# Altium PCB GE21_M1_pku_f100.PcbDoc (part 1 of 19) (continued)
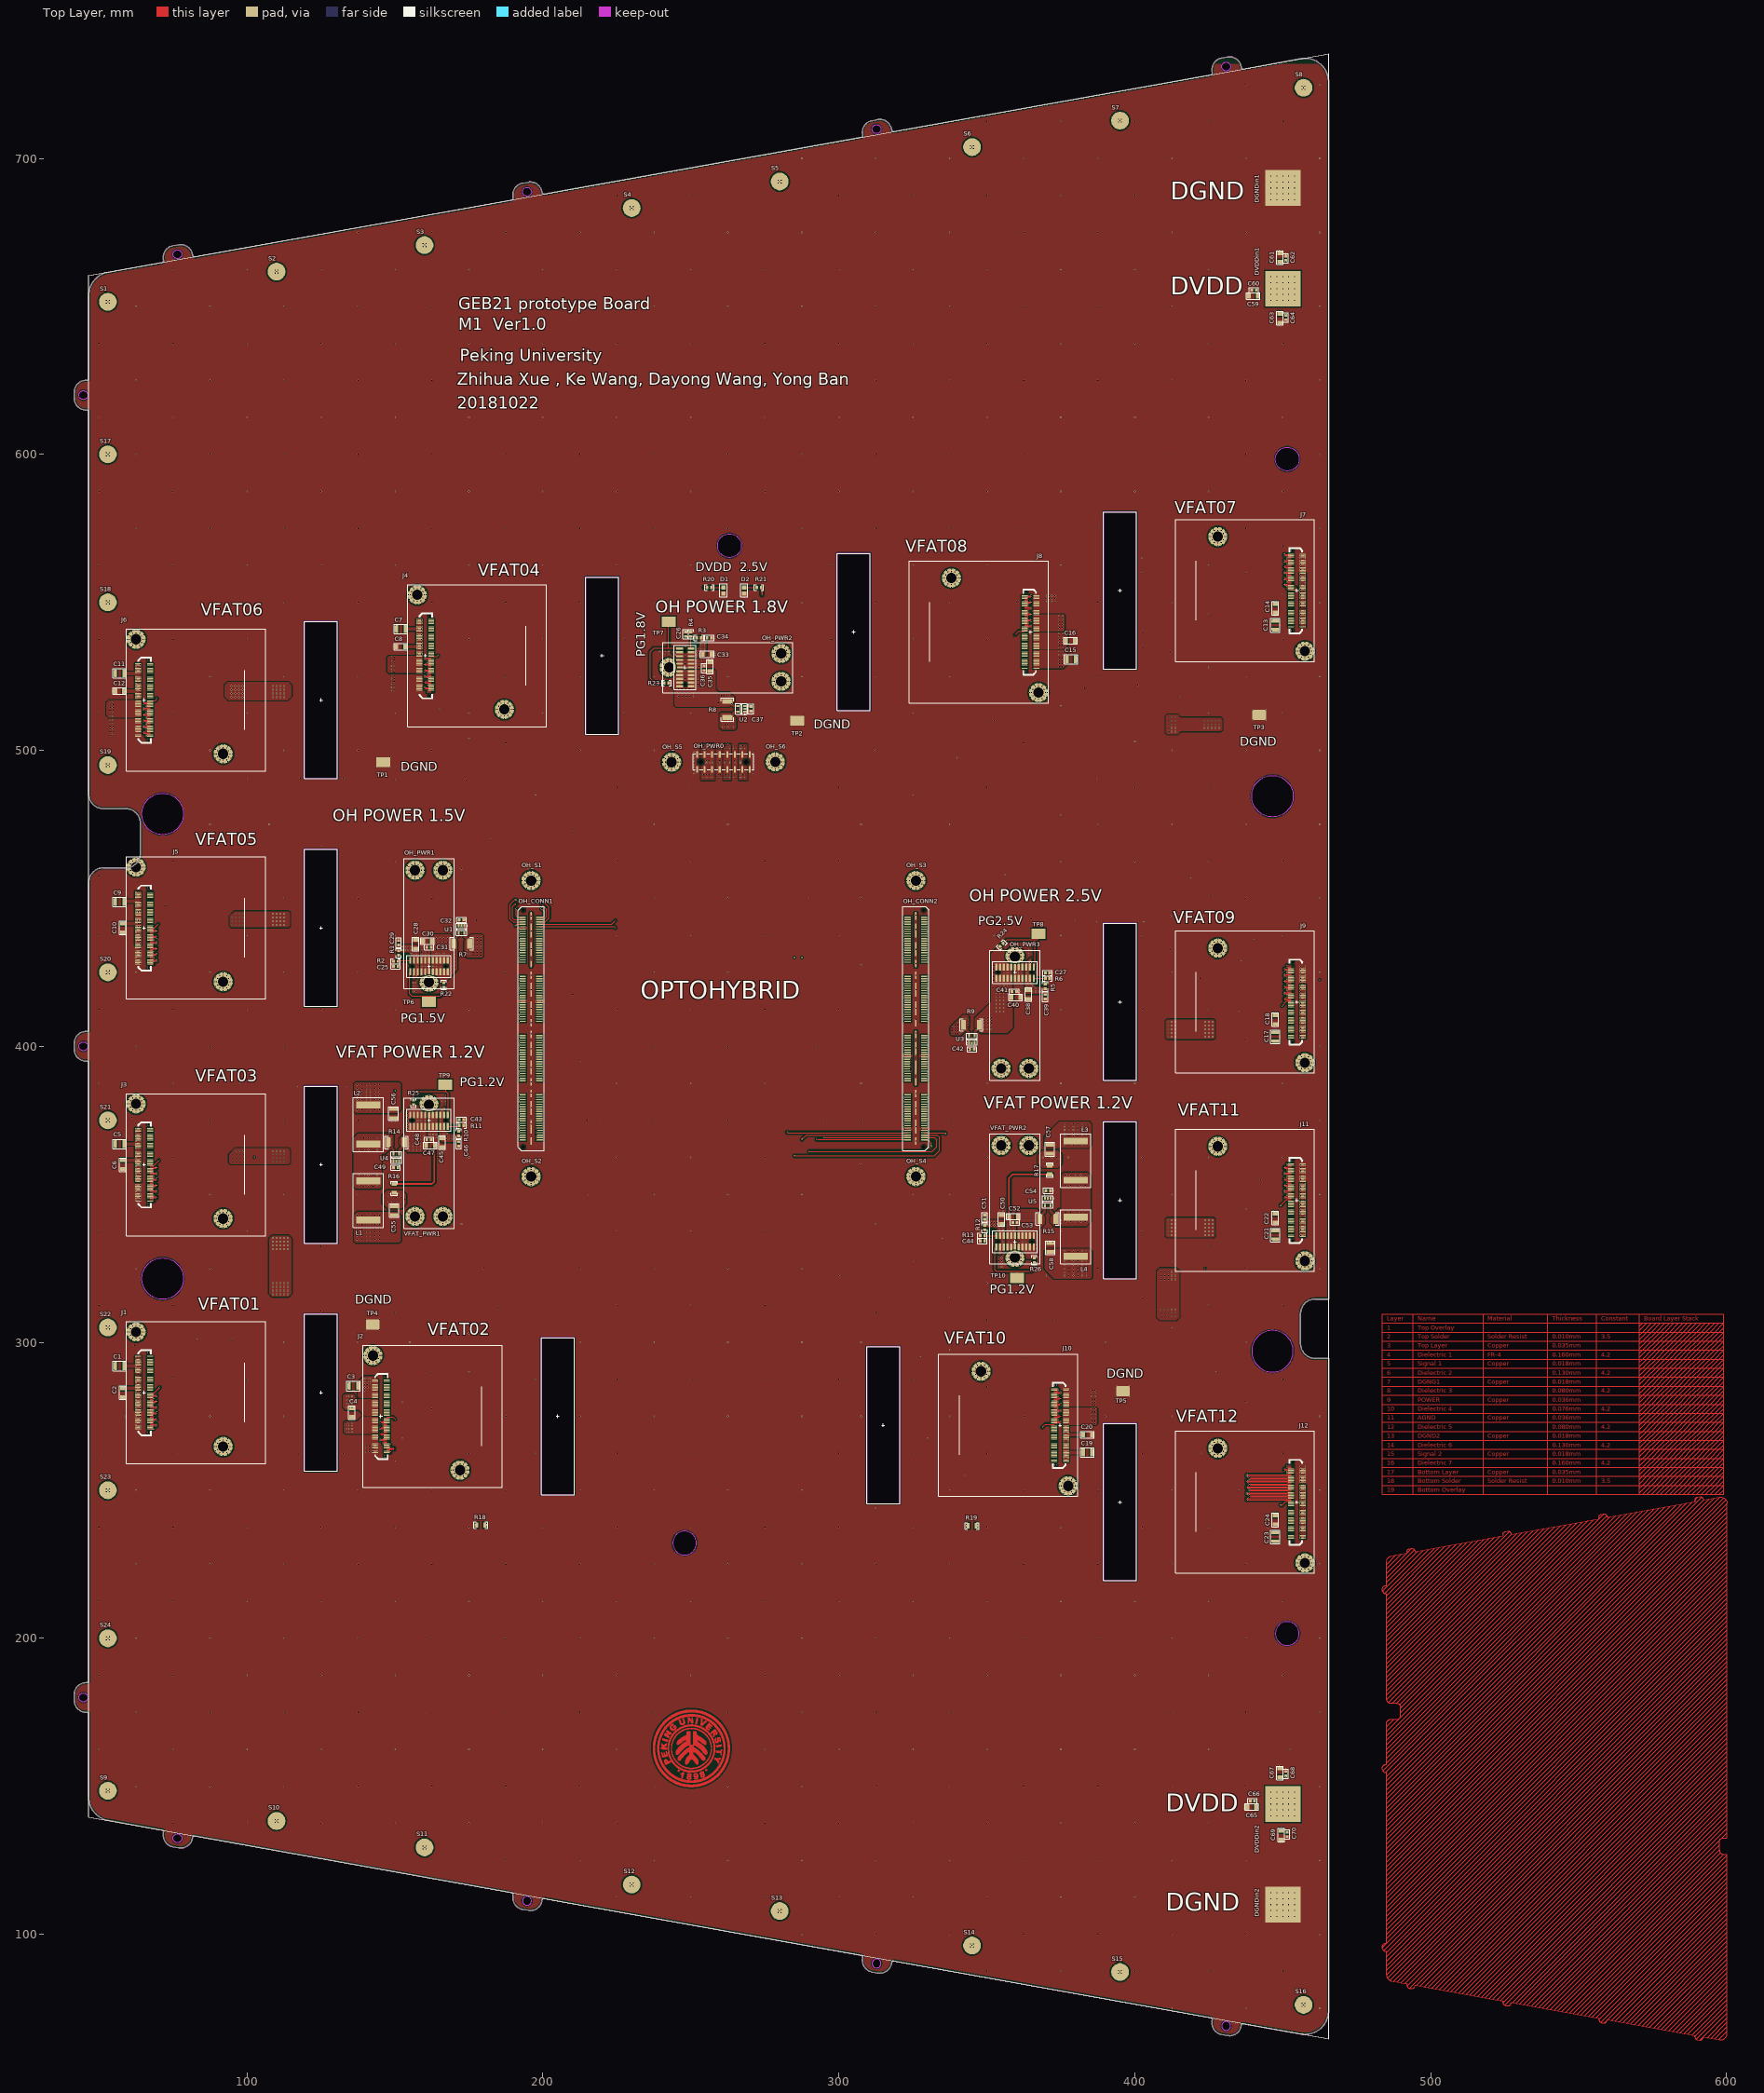
[diagram p0: Top Layer view]
## Design rules (kind name [scope] priority, off if disabled: settings)
Clearance [All] p1: gap=0 ignorepadtopadclearanceinfootprint=FALSE except(0.2: Via-Via; 0.22: Arc-Via Track-Via; 0.23: SMDPad-Via; 0.25: Arc-Arc Arc-Track Arc-SMDPad Arc-THPad Track-Track Track-SMDPad Track-THPad SMDPad-SMDPad SMDPad-THPad THPad-THPad THPad-Via; 0.268: Via-Fill Via-Poly Via-Region; 0.381: SMDPad-Fill SMDPad-Poly SMDPad-Region Fill-Fill Fill-Poly Fill-Region Poly-Poly Poly-Region Region-Region; 0.5: THPad-Fill THPad-Poly THPad-Region; 0.6: Arc-Fill Arc-Poly Arc-Region Track-Fill Track-Poly Track-Region)
DiffPairsRouting DiffPair_rxd_clkDiffPairsRouting [InDifferentialPairClass('RXD_CLK')] p1: maxlimit=0.254 minlimit=0.25 mostfreqgap=0.25 toplayer_minwidth=0.1 toplayer_maxwidth=0.381 toplayer_prefwidth=0.1 midlayer1_minwidth=0.1 midlayer1_maxwidth=0.381 midlayer1_prefwidth=0.1 midlayer4_minwidth=0.1 midlayer4_maxwidth=0.381 midlayer4_prefwidth=0.1 bottomlayer_minwidth=0.1 bottomlayer_maxwidth=0.381 bottomlayer_prefwidth=0.1 maxuncoupledlength=12.7
DiffPairsRouting [InDifferentialPairClass('All Differential Pairs')] p2: maxlimit=0.254 minlimit=0.25 mostfreqgap=0.25 toplayer_minwidth=0.1 toplayer_maxwidth=0.381 toplayer_prefwidth=0.1 midlayer1_minwidth=0.1 midlayer1_maxwidth=0.381 midlayer1_prefwidth=0.1 midlayer4_minwidth=0.1 midlayer4_maxwidth=0.381 midlayer4_prefwidth=0.1 bottomlayer_minwidth=0.1 bottomlayer_maxwidth=0.381 bottomlayer_prefwidth=0.1 maxuncoupledlength=12.7
DiffPairsRouting DiffPairsRouting_1 [All] p3: maxlimit=0.254 minlimit=0.1 mostfreqgap=0.25 toplayer_minwidth=0.1 toplayer_maxwidth=0.381 toplayer_prefwidth=0.1 midlayer1_minwidth=0.1 midlayer1_maxwidth=0.381 midlayer1_prefwidth=0.1 midlayer4_minwidth=0.1 midlayer4_maxwidth=0.381 midlayer4_prefwidth=0.1 bottomlayer_minwidth=0.1 bottomlayer_maxwidth=0.381 bottomlayer_prefwidth=0.1 maxuncoupledlength=12.7
HoleSize [All] p1: absolutevalues=TRUE maxlimit=3.5 minlimit=0.025 maxpercent=80.000 minpercent=20.000
HoleToHoleClearance [All] p1: gap=0.099 allowstackedmicrovias=TRUE
MinimumSolderMaskSliver [All] p1: minsoldermaskwidth=0.195
PlaneClearance [All] p1: clearance=0.3
PlaneConnect [All] p1: planeconnectstyle=Direct reliefexpansion=0.15 reliefentries=4 reliefconductorwidth=0.254 reliefairgap=0.15
PolygonConnect [All] p1: connectstyle=Direct reliefconductorwidth=0.254 reliefentries=4 polygonreliefangle="90 Angle" airgapwidth=0.254
RoutingCorners [All] p1: cornerstyle=Round minsetback=2.5 maxsetback=2.5
RoutingVias [All] p1: holewidth=0.2 width=0.4 viastyle="Through Hole" minholewidth=0.2 minwidth=0.4 maxholewidth=0.711 maxwidth=1.27
ShortCircuit [All] p1: allowed=TRUE
SilkToSolderMaskClearance [IsPad] p1: minsilkscreentomaskgap=0 clearancetoexposedcopper=TRUE
SolderMaskExpansion [All] p1: expansion=0.001
Width [All] p1: maxlimit=0.508 minlimit=0.1 preferedwidth=0.508 toplayer_prefwidth=0.2 midlayer1_prefwidth=0.2 midlayer4_prefwidth=0.2 minimp=50.000000 maximp=50.000000 favimp=50.000000
21 further rules are at their usual default settings.

## Classes and differential pairs
differential pair class J12: J12CLK J12D1 J12D2 J12D3 J12D4 J12D5 J12D6 J12D7 J12D8 J12RXD J12Strobe J12TXD
differential pair class J11: J11CLK J11D1 J11D2 J11D3 J11D4 J11D5 J11D6 J11D7 J11D8 J11RXD J11Strobe J11TXD
differential pair class J10: J10CLK J10D1 J10D2 J10D3 J10D4 J10D5 J10D6 J10D7 J10D8 J10RXD J10Strobe J10TXD
differential pair class J9: J9CLK J9D1 J9D2 J9D3 J9D4 J9D5 J9D6 J9D7 J9D8 J9RXD J9Strobe J9TXD
differential pair class J6: J6CLK J6D1 J6D2 J6D3 J6D4 J6D5 J6D6 J6D7 J6D8 J6RXD J6Strobe J6TXD
differential pair class J5: J5CLK J5D1 J5D2 J5D3 J5D4 J5D5 J5D6 J5D7 J5D8 J5RXD J5Strobe J5TXD
differential pair class J4: J4CLK J4D1 J4D2 J4D3 J4D4 J4D5 J4D6 J4D7 J4D8 J4RXD J4Strobe J4TXD
differential pair class J3: J3CLK J3D1 J3D2 J3D3 J3D4 J3D5 J3D6 J3D7 J3D8 J3RXD J3Strobe J3TXD
differential pair class J1: J1CLK J1D1 J1D2 J1D3 J1D4 J1D5 J1D6 J1D7 J1D8 J1RXD J1Strobe J1TXD
differential pair class J2: J2CLK J2D1 J2D2 J2D3 J2D4 J2D5 J2D6 J2D7 J2D8 J2RXD J2Strobe J2TXD
differential pair class RXD_CLK: J1CLK J1RXD J2CLK J2RXD J3CLK J3RXD J4CLK J4RXD J5CLK J5RXD J6CLK J6RXD J7CLK J7RXD J8CLK J8RXD J9CLK J9RXD J10CLK J10RXD J11CLK J11RXD J12CLK J12RXD
differential pair class CLK: J1CLK J2CLK J3CLK J4CLK J5CLK J6CLK J7CLK J8CLK J9CLK J10CLK J11CLK J12CLK
differential pair class RXD: J1RXD J2RXD J3RXD J4RXD J5RXD J6RXD J7RXD J8RXD J9RXD J10RXD J11RXD J12RXD
component class 2VFAT_OH2_OCT1: C13 C14 C15 C16 C17 C18 C19 C20 C21 C22 C23 C24 J7 J8 J9 J10 J11 J12 OH_CONN2
differential pair class J7: J7CLK J7D1 J7D2 J7D3 J7D4 J7D5 J7D6 J7D7 J7D8 J7RXD J7Strobe J7TXD
differential pair class J8: J8CLK J8D1 J8D2 J8D3 J8D4 J8D5 J8D6 J8D7 J8D8 J8RXD J8Strobe J8TXD
component class 1VFAT_OH1_OCT1: C1 C2 C3 C4 C5 C6 C7 C8 C9 C10 C11 C12 J1 J2 J3 J4 J5 J6 OH_CONN1
component class 3PWR_OH_OCT1: C25 C26 C27 C28 C29 C30 C31 C32 C33 C34 C35 C36 C37 C38 C39 C40 C41 C42 OH_PWR0 OH_PWR1 OH_PWR2 OH_PWR3 R1 R2 R3 R4 R5 R6 R7 R8 R9 U1 U2 U3
component class 4PWR_VFAT_OCT1: C43 C44 C45 C46 C47 C48 C49 C50 C51 C52 C53 C54 C55 C56 C57 C58 L1 L2 L3 L4 R10 R11 R12 R13 R14 R15 R16 R17 U4 U5 VFAT_PWR1 VFAT_PWR2
component class 5others_OCT1: C59 C60 C61 C62 C63 C64 C65 C66 C67 C68 C69 C70 D1 D2 DGNDin1 DGNDin2 DVDDin1 DVDDin2 OH_S1 OH_S2 OH_S3 OH_S4 OH_S5 OH_S6 R18 R19 R20 R21 R22 R23 R24 R25 R26 R31 R32 R33 R34 R35 R36 R37 S1 S2 S3 S4 S5 S6 S7 S8 S9 S10 S11 S12 S13 S14 S15 S16 S17 S18 S19 S20 S21 S22 S23 S24 TP1 TP2 TP3 TP4 TP5 TP6 TP7 TP8 TP9 TP10 TP11 TP13 TP14
differential pair J1CLK: +J1CLK_P -J1CLK_N
differential pair J1D1: +J1D1_P -J1D1_N
differential pair J1D2: +J1D2_P -J1D2_N
differential pair J1D3: +J1D3_P -J1D3_N
differential pair J1D4: +J1D4_P -J1D4_N
differential pair J1D5: +J1D5_P -J1D5_N
differential pair J1D6: +J1D6_P -J1D6_N
differential pair J1D7: +J1D7_P -J1D7_N
differential pair J1D8: +J1D8_P -J1D8_N
differential pair J1RXD: +J1RXD_P -J1RXD_N
differential pair J1Strobe: +J1Strobe_P -J1Strobe_N
differential pair J1TXD: +J1TXD_P -J1TXD_N
differential pair J2CLK: +J2CLK_P -J2CLK_N
differential pair J2D1: +J2D1_P -J2D1_N
differential pair J2D2: +J2D2_P -J2D2_N
differential pair J2D3: +J2D3_P -J2D3_N
differential pair J2D4: +J2D4_P -J2D4_N
differential pair J2D5: +J2D5_P -J2D5_N
differential pair J2D6: +J2D6_P -J2D6_N
differential pair J2D7: +J2D7_P -J2D7_N
differential pair J2D8: +J2D8_P -J2D8_N
differential pair J2RXD: +J2RXD_P -J2RXD_N
differential pair J2Strobe: +J2Strobe_P -J2Strobe_N
differential pair J2TXD: +J2TXD_P -J2TXD_N
differential pair J3CLK: +J3CLK_P -J3CLK_N
differential pair J3D1: +J3D1_P -J3D1_N
differential pair J3D2: +J3D2_P -J3D2_N
differential pair J3D3: +J3D3_P -J3D3_N
differential pair J3D4: +J3D4_P -J3D4_N
differential pair J3D5: +J3D5_P -J3D5_N
differential pair J3D6: +J3D6_P -J3D6_N
differential pair J3D7: +J3D7_P -J3D7_N
differential pair J3D8: +J3D8_P -J3D8_N
differential pair J3RXD: +J3RXD_P -J3RXD_N
differential pair J3Strobe: +J3Strobe_P -J3Strobe_N
differential pair J3TXD: +J3TXD_P -J3TXD_N
differential pair J4CLK: +J4CLK_P -J4CLK_N
differential pair J4D1: +J4D1_P -J4D1_N
differential pair J4D2: +J4D2_P -J4D2_N
differential pair J4D3: +J4D3_P -J4D3_N
differential pair J4D4: +J4D4_P -J4D4_N
differential pair J4D5: +J4D5_P -J4D5_N
differential pair J4D6: +J4D6_P -J4D6_N
differential pair J4D7: +J4D7_P -J4D7_N
differential pair J4D8: +J4D8_P -J4D8_N
differential pair J4RXD: +J4RXD_P -J4RXD_N
differential pair J4Strobe: +J4Strobe_P -J4Strobe_N
differential pair J4TXD: +J4TXD_P -J4TXD_N
differential pair J5CLK: +J5CLK_P -J5CLK_N
differential pair J5D1: +J5D1_P -J5D1_N
differential pair J5D2: +J5D2_P -J5D2_N
differential pair J5D3: +J5D3_P -J5D3_N
differential pair J5D4: +J5D4_P -J5D4_N
differential pair J5D5: +J5D5_P -J5D5_N
differential pair J5D6: +J5D6_P -J5D6_N
differential pair J5D7: +J5D7_P -J5D7_N
differential pair J5D8: +J5D8_P -J5D8_N
differential pair J5RXD: +J5RXD_P -J5RXD_N
differential pair J5Strobe: +J5Strobe_P -J5Strobe_N
differential pair J5TXD: +J5TXD_P -J5TXD_N
differential pair J6CLK: +J6CLK_P -J6CLK_N
differential pair J6D1: +J6D1_P -J6D1_N
differential pair J6D2: +J6D2_P -J6D2_N
differential pair J6D3: +J6D3_P -J6D3_N
differential pair J6D4: +J6D4_P -J6D4_N
differential pair J6D5: +J6D5_P -J6D5_N
differential pair J6D6: +J6D6_P -J6D6_N
differential pair J6D7: +J6D7_P -J6D7_N
differential pair J6D8: +J6D8_P -J6D8_N
differential pair J6RXD: +J6RXD_P -J6RXD_N
differential pair J6Strobe: +J6Strobe_P -J6Strobe_N
differential pair J6TXD: +J6TXD_P -J6TXD_N
differential pair J7CLK: +J7CLK_P -J7CLK_N
differential pair J7D1: +J7D1_P -J7D1_N
differential pair J7D2: +J7D2_P -J7D2_N
differential pair J7D3: +J7D3_P -J7D3_N
differential pair J7D4: +J7D4_P -J7D4_N
differential pair J7D5: +J7D5_P -J7D5_N
differential pair J7D6: +J7D6_P -J7D6_N
differential pair J7D7: +J7D7_P -J7D7_N
differential pair J7D8: +J7D8_P -J7D8_N
differential pair J7RXD: +J7RXD_P -J7RXD_N
differential pair J7Strobe: +J7Strobe_P -J7Strobe_N
differential pair J7TXD: +J7TXD_P -J7TXD_N
differential pair J8CLK: +J8CLK_P -J8CLK_N
differential pair J8D1: +J8D1_P -J8D1_N
differential pair J8D2: +J8D2_P -J8D2_N
differential pair J8D3: +J8D3_P -J8D3_N
differential pair J8D4: +J8D4_P -J8D4_N
differential pair J8D5: +J8D5_P -J8D5_N
differential pair J8D6: +J8D6_P -J8D6_N
differential pair J8D7: +J8D7_P -J8D7_N
differential pair J8D8: +J8D8_P -J8D8_N
differential pair J8RXD: +J8RXD_P -J8RXD_N
differential pair J8Strobe: +J8Strobe_P -J8Strobe_N
differential pair J8TXD: +J8TXD_P -J8TXD_N
differential pair J9CLK: +J9CLK_P -J9CLK_N
differential pair J9D1: +J9D1_P -J9D1_N
differential pair J9D2: +J9D2_P -J9D2_N
differential pair J9D3: +J9D3_P -J9D3_N
differential pair J9D4: +J9D4_P -J9D4_N
differential pair J9D5: +J9D5_P -J9D5_N
differential pair J9D6: +J9D6_P -J9D6_N
differential pair J9D7: +J9D7_P -J9D7_N
differential pair J9D8: +J9D8_P -J9D8_N
differential pair J9RXD: +J9RXD_P -J9RXD_N
differential pair J9Strobe: +J9Strobe_P -J9Strobe_N
differential pair J9TXD: +J9TXD_P -J9TXD_N
differential pair J10CLK: +J10CLK_P -J10CLK_N
differential pair J10D1: +J10D1_P -J10D1_N
differential pair J10D2: +J10D2_P -J10D2_N
differential pair J10D3: +J10D3_P -J10D3_N
differential pair J10D4: +J10D4_P -J10D4_N
differential pair J10D5: +J10D5_P -J10D5_N
differential pair J10D6: +J10D6_P -J10D6_N
differential pair J10D7: +J10D7_P -J10D7_N
differential pair J10D8: +J10D8_P -J10D8_N
differential pair J10RXD: +J10RXD_P -J10RXD_N
differential pair J10Strobe: +J10Strobe_P -J10Strobe_N
differential pair J10TXD: +J10TXD_P -J10TXD_N
differential pair J11CLK: +J11CLK_P -J11CLK_N
differential pair J11D1: +J11D1_P -J11D1_N
differential pair J11D2: +J11D2_P -J11D2_N
differential pair J11D3: +J11D3_P -J11D3_N
differential pair J11D4: +J11D4_P -J11D4_N
differential pair J11D5: +J11D5_P -J11D5_N
differential pair J11D6: +J11D6_P -J11D6_N
differential pair J11D7: +J11D7_P -J11D7_N
differential pair J11D8: +J11D8_P -J11D8_N
differential pair J11RXD: +J11RXD_P -J11RXD_N
differential pair J11Strobe: +J11Strobe_P -J11Strobe_N
differential pair J11TXD: +J11TXD_P -J11TXD_N
differential pair J12CLK: +J12CLK_P -J12CLK_N
differential pair J12D1: +J12D1_P -J12D1_N
differential pair J12D2: +J12D2_P -J12D2_N
differential pair J12D3: +J12D3_P -J12D3_N
differential pair J12D4: +J12D4_P -J12D4_N
differential pair J12D5: +J12D5_P -J12D5_N
differential pair J12D6: +J12D6_P -J12D6_N
differential pair J12D7: +J12D7_P -J12D7_N
differential pair J12D8: +J12D8_P -J12D8_N
differential pair J12RXD: +J12RXD_P -J12RXD_N
differential pair J12Strobe: +J12Strobe_P -J12Strobe_N
differential pair J12TXD: +J12TXD_P -J12TXD_N

## Components (designator, comment, footprint, x,y, rotation, side; value= is the part's Value field where it differs from the comment)
C1 "100uF" C1210 57,292 r180 top
C2 "47uF" C1206 58,283 r270 top
C3 "100uF" C1210 136,285.25 r180 top
C4 "47uF" C1206 135.5,276.25 r270 top
C5 "100uF" C1210 57,367 r180 top
C6 "47uF" C1206 58,360 r270 top
C7 "100uF" C1210 152,541 r180 top
C8 "47uF" C1206 152,535 r180 top
C9 "100uF" C1210 57,448.75 r180 top
C10 "47uF" C1206 58,440 r270 top
C11 "100uF" C1210 57,526 r180 top
C12 "47uF" C1206 57,520 r180 top
C13 "100uF" C1210 447.5,542.25 r270 top
C14 "47uF" C1206 447.5,548 r270 top
C15 "100uF" C1210 378.5,530.75 r0 top
C16 "47uF" C1206 378.25,537 r0 top
C17 "100uF" C1210 447.5,403.25 r270 top
C18 "47uF" C1206 447.5,409 r270 top
C19 "100uF" C1210 384,262.75 r0 top
C20 "47uF" C1206 384,268.75 r0 top
C21 "100uF" C1210 447.5,336.25 r270 top
C22 "47uF" C1206 447.5,342 r270 top
C23 "100uF" C1210 447.5,234.25 r270 top
C24 "47uF" C1206 447.5,240 r270 top
C25 "0.1uF" C0603 150.25,427 r180 top
C26 "0.1uF" C0603 248.25,539.25 r90 top
C27 "0.1uF" C0603 370.5,424.75 r0 top
C28 "10uF" C1206 157,434.5 r90 top
C29 "0.1uF" C0603 151.25,435 r90 top
C30 "10uF" C1206 161,435.5 r180 top
C31 "0.1uF" C0603 161.5,433.5 r180 top
C32 "0.1uF" C0603 172.5,442.75 r0 top
C33 "10uF" C1206 255.5,532.5 r0 top
C34 "0.1uF" C0603 256.25,538 r0 top
C35 "10uF" C1206 256.5,528.25 r90 top
C36 "0.1uF" C0603 254.5,527.75 r90 top
C37 "0.1uF" C0603 270.3,514 r270 top
C38 "10uF" C1206 364,417.5 r270 top
C39 "0.1uF" C0603 369.75,416.75 r270 top
C40 "10uF" C1206 359.75,416.5 r0 top
C41 "0.1uF" C0603 359.25,418.5 r0 top
C42 "0.1uF" C0603 345,399 r180 top
C43 "0.1uF" C0603 172.5,375.25 r0 top
C44 "0.1uF" C0603 348.5,334.25 r180 top
C45 "10uF" C1206 166,367.5 r270 top
C46 "0.1uF" C0603 171.5,367 r270 top
C47 "10uF" C1206 162,366.5 r0 top
C48 "0.1uF" C0603 161.5,368.5 r0 top
C49 "0.1uF" C0603 150.25,359 r180 top
C50 "10uF" C1206 355,341.5 r90 top
C51 "0.1uF" C0603 349.25,342.25 r90 top
C52 "10uF" C1206 359,342.5 r180 top
C53 "0.1uF" C0603 359.5,340.5 r180 top
C54 "0.1uF" C0603 370.75,351.25 r0 top
C55 "100uF" C1210 149.75,344.5 r90 top
C56 "100uF" C1210 149.5,377.25 r270 top
C57 "100uF" C1210 371.25,365.25 r270 top
C58 "100uF" C1210 371.5,332 r90 top
C59 "10uF" C1206 440,653.5 r180 top
C60 "0.1uF" C0603 440.25,655.5 r180 top
C61 "10uF" C1206 449,666.5 r90 top
C62 "0.1uF" C0603 451,666.25 r90 top
C63 "10uF" C1206 449,646 r270 top
C64 "0.1uF" C0603 451,646.25 r270 top
C65 "10uF" C1206 439.5,143 r180 top
C66 "0.1uF" C0603 439.75,145 r180 top
C67 "10uF" C1206 449,154.5 r90 top
C68 "0.1uF" C0603 451,154.25 r90 top
C69 "10uF" C1206 449.5,133.5 r270 top
C70 "0.1uF" C0603 451.5,133.75 r270 top
D1 "LED" L0805 261,554 r90 top
D2 "LED" L0805 268,554 r90 top
DGNDin1 "Solderpad" SOLDERPAD 450,690 r0 top
DGNDin2 "Solderpad" SOLDERPAD 450,110 r0 top
DVDDin1 "Solderpad" SOLDERPAD 450,656 r0 top
DVDDin2 "Solderpad" SOLDERPAD 450,144 r0 top
J1 "VFAT-AXK6S00547Y" VFAT-pku-M1-3 125,283 r270 top locked
J2 "VFAT-AXK6S00547Y" VFAT-pku-M1-3 205,275 r270 top locked
J3 "VFAT-AXK6S00547Y" VFAT-pku-M1-3 125,360 r270 top locked
J4 "VFAT-AXK6S00547Y" VFAT-pku-M1-3 220,532 r270 top locked
J5 "VFAT-AXK6S00547Y" VFAT-pku-M1-3 125,440 r270 top locked
J6 "VFAT-AXK6S00547Y" VFAT-pku-M1-3 125,517 r270 top locked
J7 "VFAT-AXK6S00547Y" VFAT-pku-M1-3 395,554 r90 top locked
J8 "VFAT-AXK6S00547Y" VFAT-pku-M1-3 305,540 r90 top locked
J9 "VFAT-AXK6S00547Y" VFAT-pku-M1-3 395,415 r90 top locked
J10 "VFAT-AXK6S00547Y" VFAT-pku-M1-3 315,272 r90 top locked
J11 "VFAT-AXK6S00547Y" VFAT-pku-M1-3 395,348 r90 top locked
J12 "VFAT-AXK6S00547Y" VFAT-pku-M1-3 395,246 r90 top locked
L1 "500nH" Inductor_500nh 141,354.5 r270 top
L2 "500nH" Inductor_500nh 141,367 r90 top
L3 "500nH" Inductor_500nh 380,354.8 r90 top
L4 "500nH" Inductor_500nh 380,342.25 r270 top
OH_CONN1 "GEB-OH1" SAMTEC-160 196,406 r0 top locked
OH_CONN2 "GEB-OH2" SAMTEC-160 326,406 r180 top locked
OH_PWR0 "HW-08-16-F-D-290-SM" HW-08-16-F-D-290-SM 261,496.1 r90 top
OH_PWR1 "FEAST" FEAST-pku-M1-2 161.5,427 r180 top locked
OH_PWR2 "FEAST" FEAST-pku-M1-2 248,528 r90 top locked
OH_PWR3 "FEAST" FEAST-pku-M1-2 359.5,425 r0 top locked
OH_S1 "Standoff" Standoff-pku-M1-2 196,456 r0 top
OH_S2 "Standoff" Standoff-pku-M1-2 196,356 r0 top
OH_S3 "Standoff" Standoff-pku-M1-2 326,456 r0 top
OH_S4 "Standoff" Standoff-pku-M1-2 326,356 r0 top
OH_S5 "Standoff" Standoff-pku-M1-2 243.5,496 r180 top
OH_S6 "Standoff" Standoff-pku-M1-2 278.5,496.1 r180 top
R1 "30K" R0603 151.25,431.5 r270 top
R2 "10K" R0603 150.25,428.75 r180 top
R3 "30K" R0603 252.75,538 r180 top
R4 "10K" R0603 250,539.25 r90 top
R5 "30K" R0603 369.75,420.25 r90 top
R6 "10K" R0603 370.5,423 r0 top
R7 "0.01" CuurentSense2512 172.55,434.75 r0 top
R8 "0.01" CuurentSense2512 262.3,513.8 r270 top
R9 "0.01" CuurentSense2512 344.8,407.25 r180 top
R10 "30K" R0603 171.5,370.5 r90 top
R11 "10K" R0603 172.5,373.25 r0 top
R12 "30K" R0603 349.25,338.75 r270 top
R13 "10K" R0603 348.5,336 r180 top
R14 "0.01" CuurentSense2512 150.5,367.5 r180 top
R15 "0.01" CuurentSense2512 370.55,341.75 r0 top
R16 "0" R1206 149.75,352 r270 top
R17 "0" R1206 371.25,358.25 r90 top
R18 "0" R1206 179,238.25 r180 top
R19 "0" R1206 345,238 r0 top
R20 "5K" R0603 256.25,555 r0 top
R21 "5K" R0603 273,555 r180 top
R22 "100K" R0603 166.5,420.75 r90 top
R23 "100K" R0603 241.75,522.75 r0 top
R24 "100K" R0603 355,434.25 r225 top
R25 "100K" R0603 156.25,381 r270 top
R26 "100K" R0603 366,327.75 r90 top
S1 "Eyelet" EYELET-pku-M1 53,651.527 r180 top
S2 "Eyelet" EYELET-pku-M1 110,661.731 r180 top
S3 "Eyelet" EYELET-pku-M1 160,670.682 r180 top
S4 "Eyelet" EYELET-pku-M1 230,683.214 r180 top
S5 "Eyelet" EYELET-pku-M1 280,692.166 r180 top
S6 "Eyelet" EYELET-pku-M1 345,703.803 r180 top
S7 "Eyelet" EYELET-pku-M1 395,712.754 r180 top
S8 "Eyelet" EYELET-pku-M1 457,723.854 r180 top
S9 "Eyelet" EYELET-pku-M1 53,148.473 r180 top
S10 "Eyelet" EYELET-pku-M1 110,138.269 r180 top
S11 "Eyelet" EYELET-pku-M1 160,129.318 r180 top
S12 "Eyelet" EYELET-pku-M1 230,116.786 r180 top
S13 "Eyelet" EYELET-pku-M1 280,107.834 r180 top
S14 "Eyelet" EYELET-pku-M1 345,96.197 r180 top
S15 "Eyelet" EYELET-pku-M1 395,87.246 r180 top
S16 "Eyelet" EYELET-pku-M1 457,76.146 r180 top
S17 "Eyelet" EYELET-pku-M1 53,600 r180 top
S18 "Eyelet" EYELET-pku-M1 53,550 r180 top
S19 "Eyelet" EYELET-pku-M1 53,495 r180 top
S20 "Eyelet" EYELET-pku-M1 53,425 r180 top
S21 "Eyelet" EYELET-pku-M1 53,375 r180 top
S22 "Eyelet" EYELET-pku-M1 53,305 r180 top
S23 "Eyelet" EYELET-pku-M1 53,250 r180 top
S24 "Eyelet" EYELET-pku-M1 53,200 r180 top
TP1 "TestPoint_GEB" TP_GEB 146,496 r270 top
TP2 "TestPoint_GEB" TP_GEB 286,510 r90 top
TP3 "TestPoint_GEB" TP_GEB 442,512 r90 top
TP4 "TestPoint_GEB" TP_GEB 142.5,306 r270 top
TP5 "TestPoint_GEB" TP_GEB 396,283.5 r270 top
TP6 "TestPoint_GEB" TP_GEB 161.5,415 r270 top
TP7 "TestPoint_GEB" TP_GEB 242.5,543.5 r270 top
TP8 "TestPoint_GEB" TP_GEB 367.5,438 r90 top
TP9 "TestPoint_GEB" TP_GEB 167,387 r270 top
TP10 "TestPoint_GEB" TP_GEB 360.25,321.75 r90 top
U1 "Max4372" sot23-5 172.5,439.5 r90 top
U2 "Max4372" sot23-5 267.05,514 r0 top
U3 "Max4372" sot23-5 344.95,402.45 r270 top
U4 "Max4372" sot23-5 150.45,362.45 r270 top
U5 "Max4372" sot23-5 370.55,347.45 r90 top
VFAT_PWR1 "FEAST" FEAST-pku-M1-2 161.5,375 r0 top locked
VFAT_PWR2 "FEAST" FEAST-pku-M1-2 359.5,334 r180 top locked
